# Altium PCB PCB1.PcbDoc
Units mm, origin at the board's own origin, x right, y up, seen from the top; angles counter-clockwise.
Board outline 41.81 x 32.61 mm, 2 copper layers (Top Layer, Bottom Layer); 41 components, 34 nets, 169 pads, 52 vias.
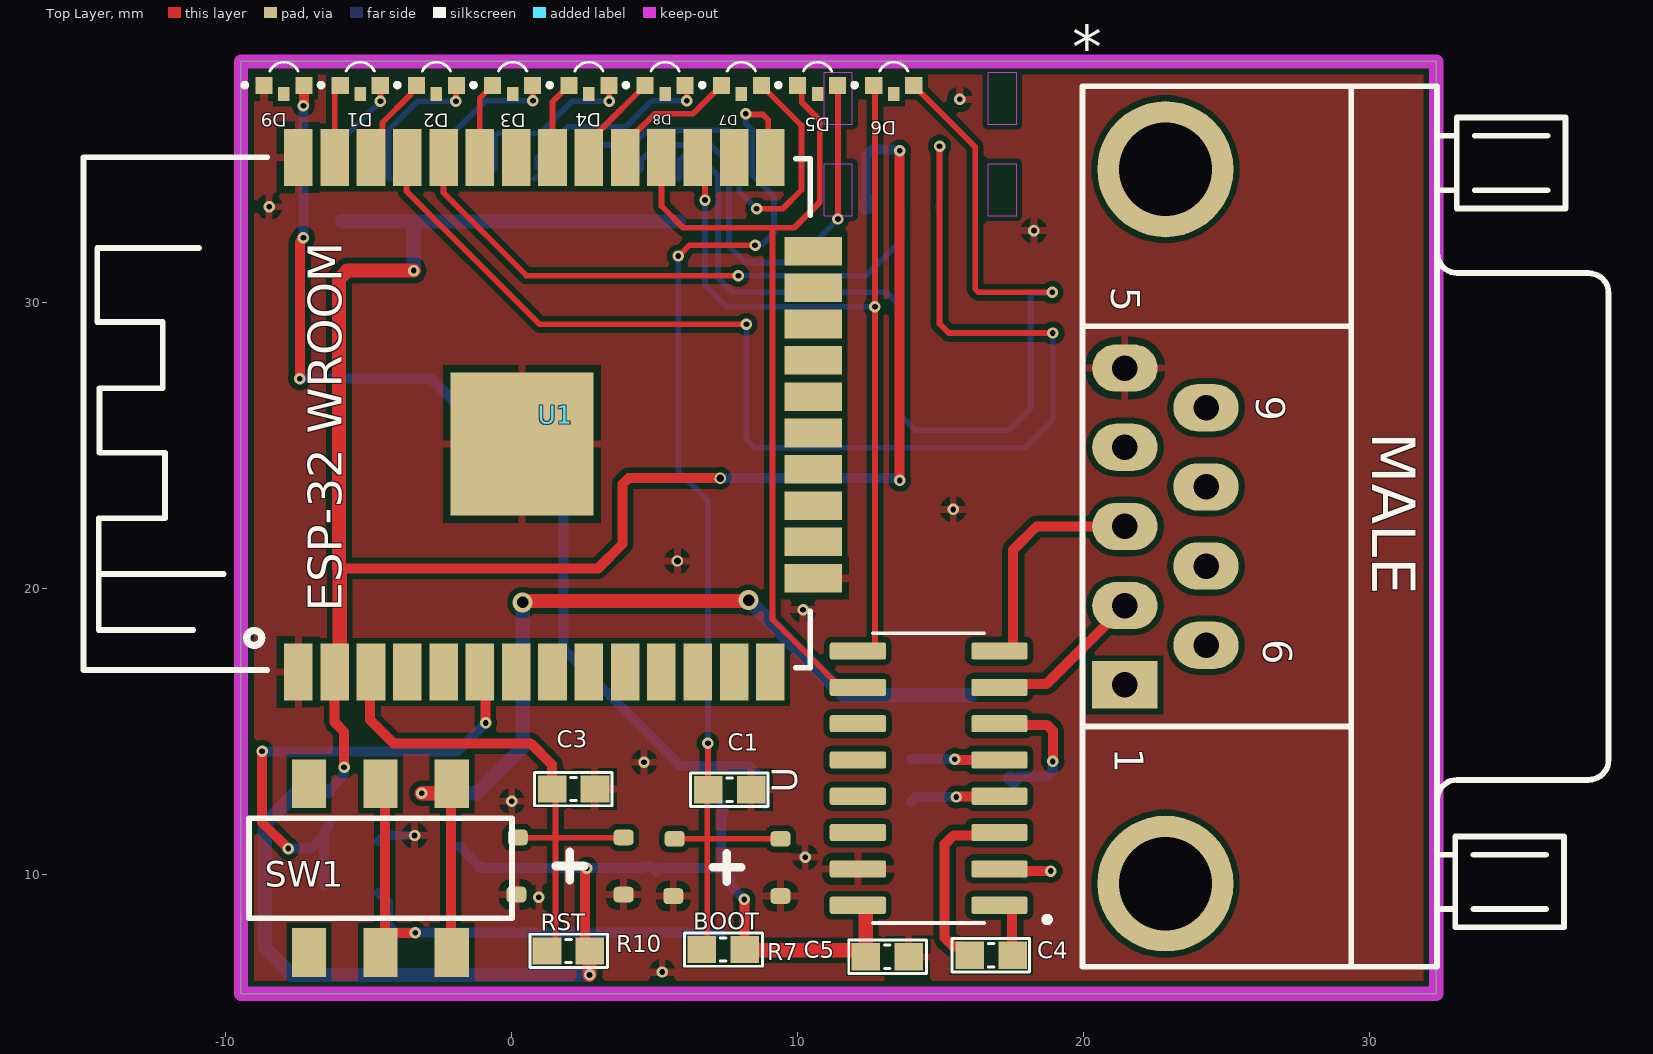
[diagram p0: Top Layer view]
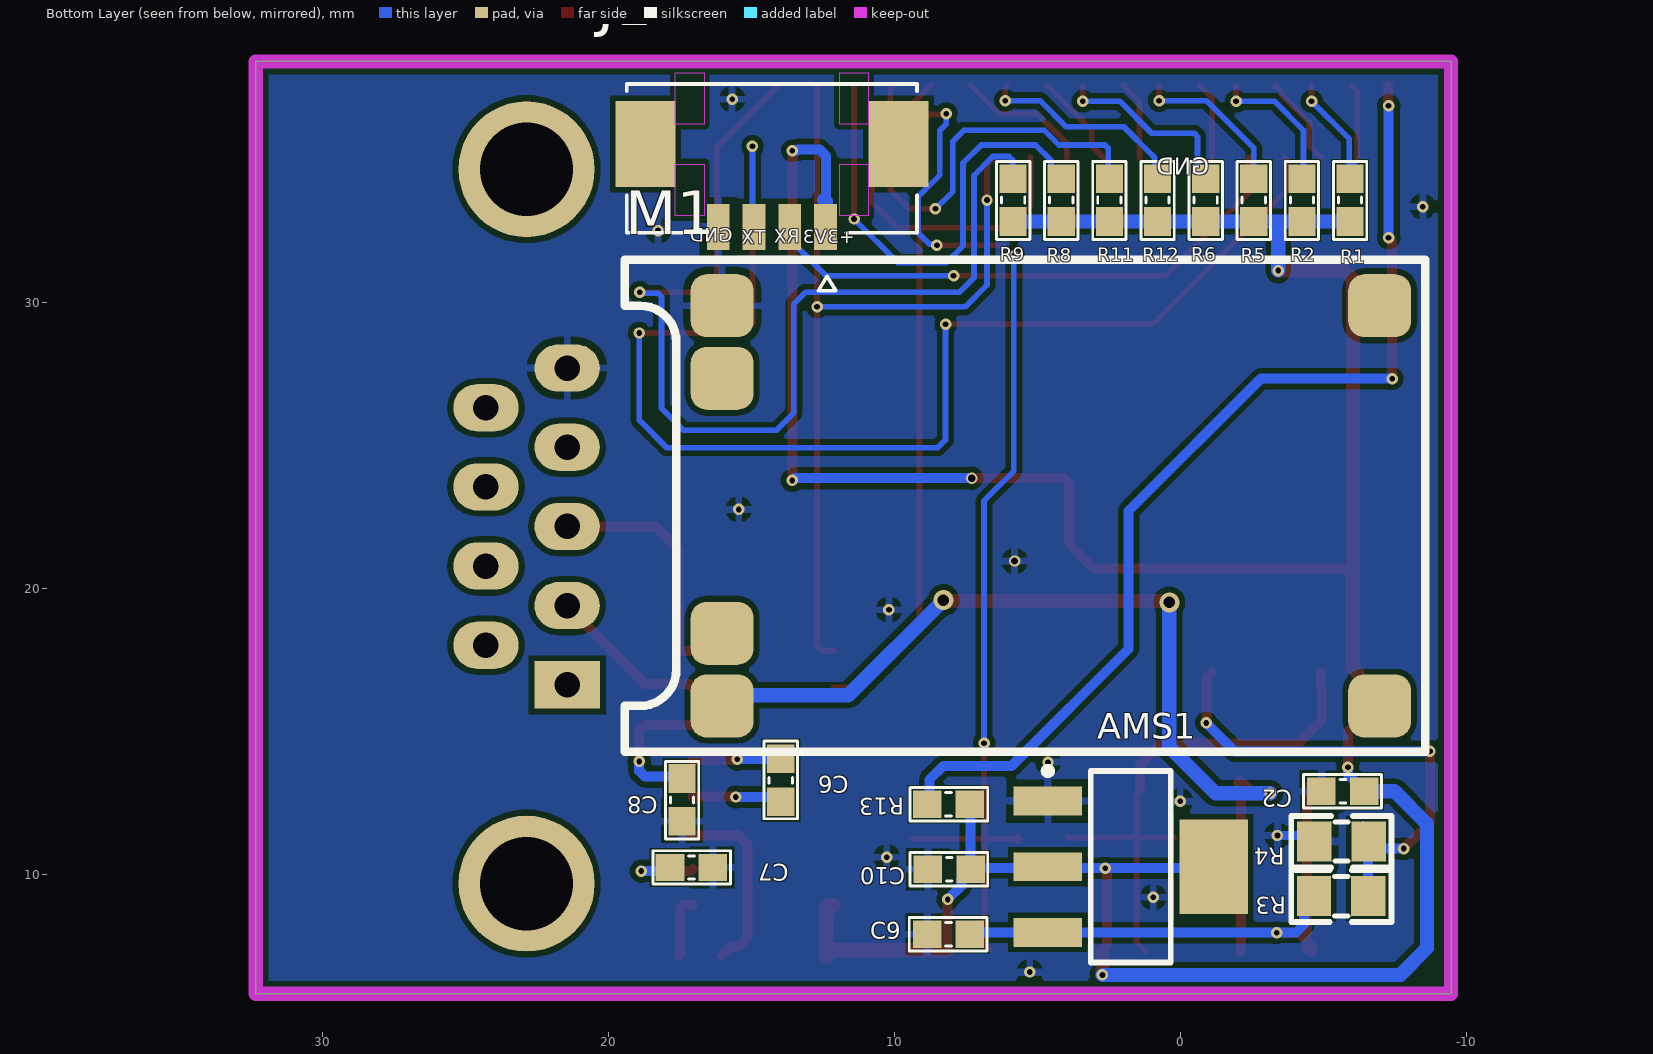
[diagram p1: Bottom Layer view, seen from below]
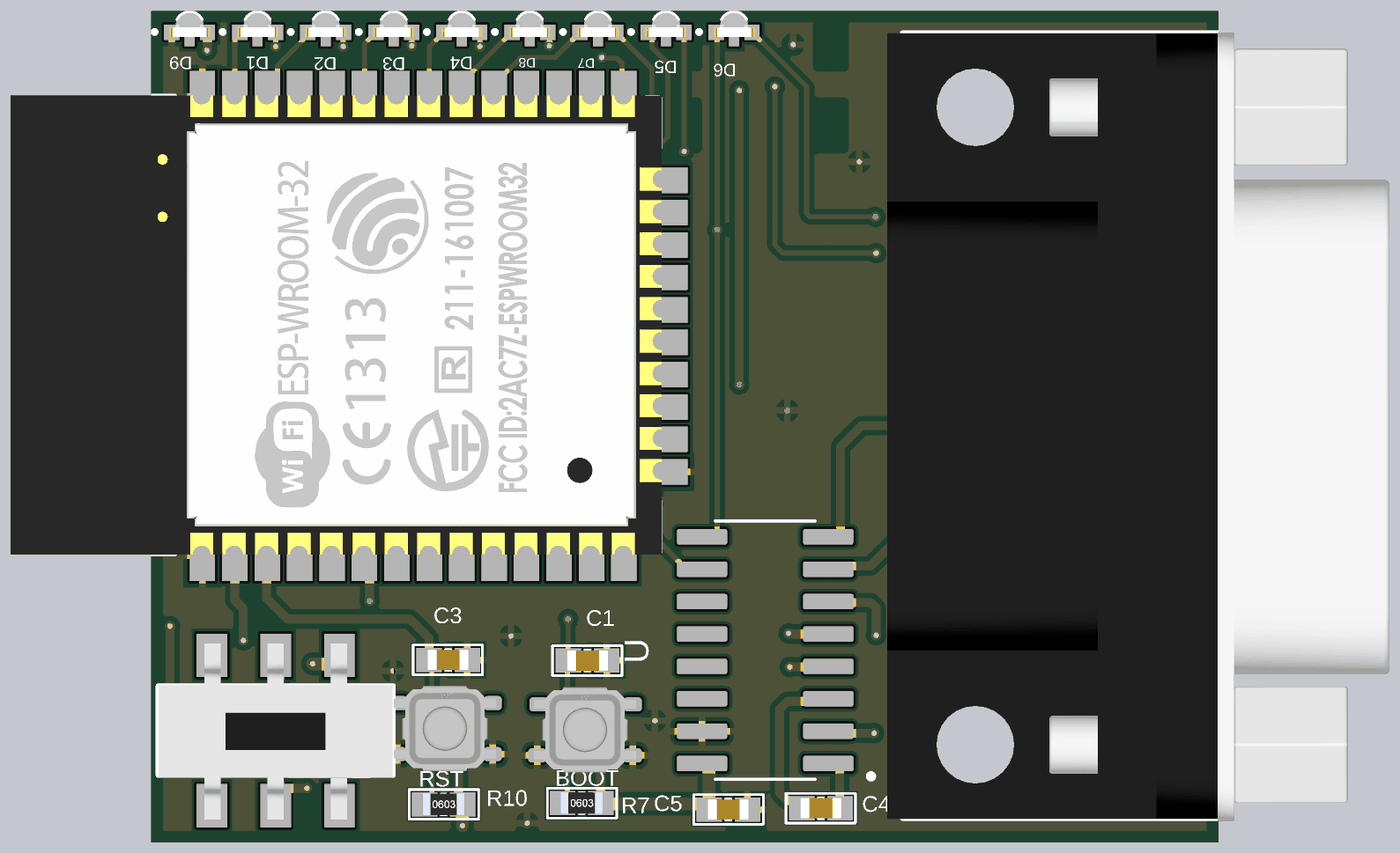
[diagram p2: 3D render of the assembled board from above, using the file's embedded part models]
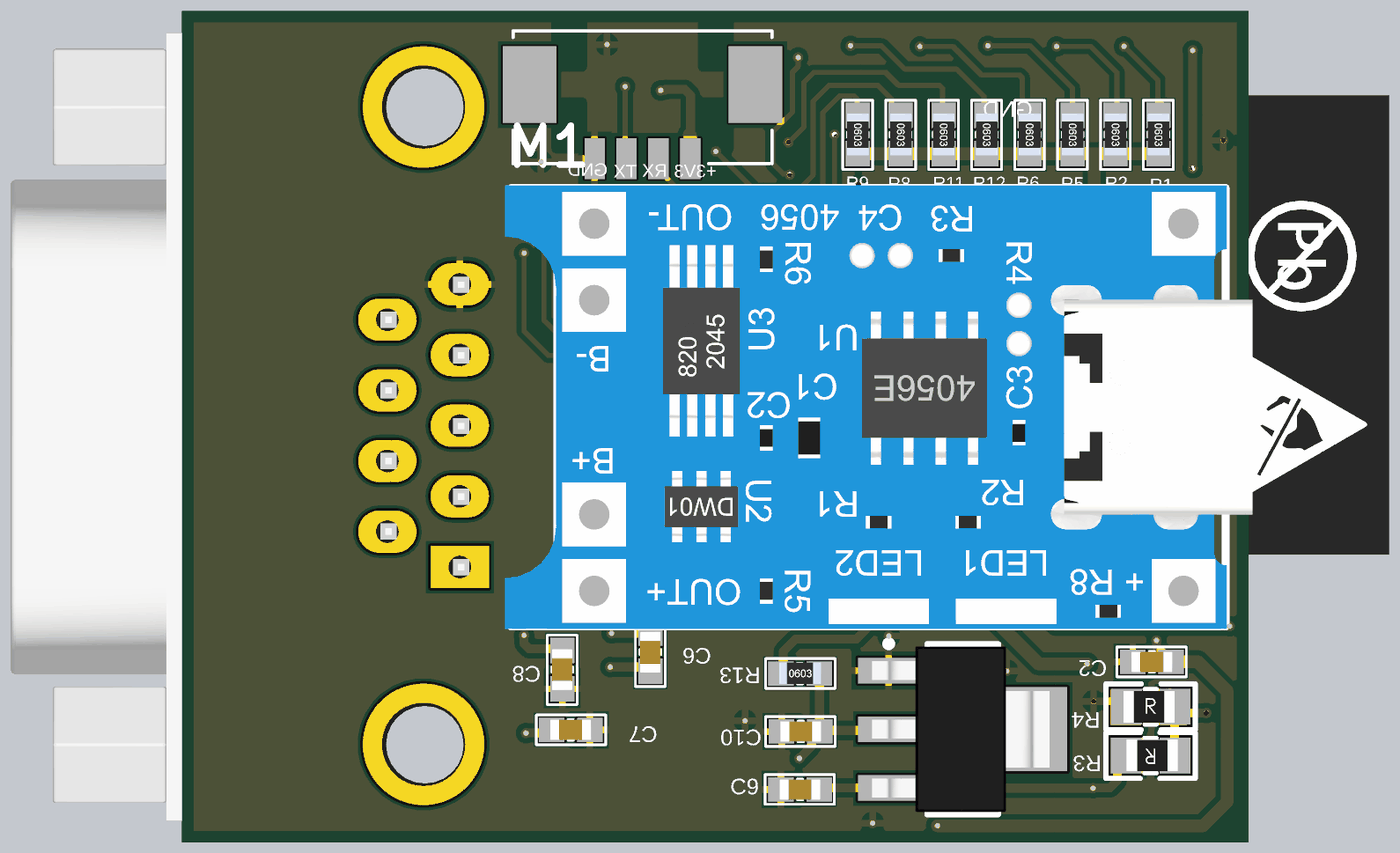
[diagram p3: 3D render of the assembled board from below, using the file's embedded part models]

## Layer stack, top to bottom
Top Solder: solder mask 0.0102, Solder Resist, Dk 3.5
Top Layer: signal copper 0.0356
Dielectric 1: dielectric 0.32, FR-4, Dk 4.8
Bottom Layer: signal copper 0.0356
Bottom Solder: solder mask 0.0102, Solder Resist, Dk 3.5

## Board outline
-9.474,5.817 -9.474,38.43 32.334,38.43 32.334,5.817

## Design rules (kind name [scope] priority, off if disabled: settings)
Clearance [All] p1: gap=0.2 ignorepadtopadclearanceinfootprint=FALSE
HoleSize [All] p1 off: absolutevalues=TRUE maxlimit=2.54 minlimit=0.025 maxpercent=80.000 minpercent=20.000
HoleToHoleClearance [All] p1 off: gap=0.254 allowstackedmicrovias=TRUE
LayerPairs [All] p1 off: enforce=TRUE
MinimumSolderMaskSliver [All] p1 off: minsoldermaskwidth=0.254
NetAntennae [All] p1 off: netantennaetolerance=0
PolygonConnect [All] p1: connectstyle=Relief reliefconductorwidth=0.254 reliefentries=4 polygonreliefangle="90 Angle" airgapwidth=0.254
RoutingVias [All] p1: holewidth=0.6 width=0 viastyle="Through Hole" minholewidth=0.2 minwidth=0.4 maxholewidth=0.7 maxwidth=0.8
SilkToSilkClearance [All] p1 off: silktosilkclearance=0.254
SilkToSolderMaskClearance [IsPad] p1 off: minsilkscreentomaskgap=0.254 clearancetoexposedcopper=TRUE
SolderMaskExpansion [All] p1: expansion=0.102 istentingtop=FALSE
Width [All] p1: maxlimit=0.5 minlimit=0.2 preferedwidth=0.35
23 further rules are at their usual default settings.

## Components (designator, comment, footprint, x,y, rotation, side; value= is the part's Value field where it differs from the comment)
* "COM" "DSB 9-M" 22.862,22.164 r90 top
AMS1 "AMS1117-3.3V" SOT223 1.727,10.262 r270 bottom value="AMS1117-3.3V SOT223"
BOOT "BUTTON-4PIN" BUTTON-3X3X1.5-4PIN 7.521,10.236 r0 top (schematic designator BT1)
C1 "104" "tu 0603" 7.62,12.954 r180 top
C2 "104" "tu 0603" -5.69,12.903 r0 bottom
C3 "104" "tu 0603" 2.159,12.979 r180 top
C4 "104" "tu 0603" 16.764,7.163 r180 top
C5 "104" "tu 0603" 13.132,7.112 r0 top
C6 "104" "tu 0603" 13.97,13.284 r90 bottom
C7 "104" "tu 0603" 17.094,10.236 r180 bottom
C8 "104" "tu 0603" 17.424,12.598 r270 bottom
C9 "104" "tu 0603" 8.103,7.899 r0 bottom
C10 "104" "tu 0603" 8.077,10.173 r0 bottom
D1 "Amber, 2V, 120°" WL-SMSW_0603_L1.6W1H0.6 -5.304,37.902 r0 top
D2 "Amber, 2V, 120°" WL-SMSW_0603_L1.6W1H0.6 -2.638,37.902 r0 top
D3 "Amber, 2V, 120°" WL-SMSW_0603_L1.6W1H0.6 0.028,37.902 r0 top
D4 "Amber, 2V, 120°" WL-SMSW_0603_L1.6W1H0.6 2.695,37.902 r0 top
D5 "Amber, 2V, 120°" WL-SMSW_0603_L1.6W1H0.6 10.694,37.902 r0 top
D6 "Amber, 2V, 120°" WL-SMSW_0603_L1.6W1H0.6 13.36,37.902 r0 top
D7 "Amber, 2V, 120°" WL-SMSW_0603_L1.6W1H0.6 8.028,37.902 r0 top
D8 "Amber, 2V, 120°" WL-SMSW_0603_L1.6W1H0.6 5.361,37.902 r0 top
D9 "Amber, 2V, 120°" WL-SMSW_0603_L1.6W1H0.6 -7.971,37.902 r0 top
J1 "532617004" MOLEX_532617004 14.279,35.039 r180 bottom
M1 "MODULE-TP4056" MODULE-TP4056 4.521,22.885 r0 bottom
R1 "1k" "tro smd 0603" -5.944,33.579 r270 bottom
R2 "1k" "tro smd 0603" -4.26,33.579 r270 bottom
R3 "10k" "Tro SMD 0805" -5.639,9.169 r0 bottom
R4 "10k" "Tro SMD 0805" -5.64,11.201 r180 bottom
R5 "1k" "tro smd 0603" -2.576,33.579 r270 bottom
R6 "1k" "tro smd 0603" -0.893,33.579 r270 bottom
R7 "10k" "tro smd 0603" 7.391,7.366 r0 top
R8 "1k" "tro smd 0603" 4.158,33.579 r270 bottom
R9 "1k" "tro smd 0603" 5.842,33.579 r270 bottom
R10 "10k" "tro smd 0603" 1.981,7.315 r0 top
R11 "1k" "tro smd 0603" 2.475,33.579 r270 bottom
R12 "1k" "tro smd 0603" 0.791,33.579 r270 bottom
R13 "1k" "tro smd 0603" 8.103,12.446 r180 bottom
RST "BUTTON-4PIN" BUTTON-3X3X1.5-4PIN 2.032,10.287 r0 top (schematic designator BT2)
SW1 "MSS22D18" "MSS22D18 SMD" -4.597,10.211 r0 top
U "MAX3232ID" SOIC127P600X175-16N 14.58,13.36 r180 top
U1 "ESP32-S" ESP-32WR -7.468,17.069 r90 top locked

## Footprints (in the part's own frame and the unit in brackets; to place one, negate y for a bottom-side part, rotate by r counter-clockwise, add the part's x,y. Pads: shape width x height; smd on the part's side, far side on the other; paste and mask are expansions set on the pad)
BUTTON-3X3X1.5-4PIN [mm]
  rrect50% 0.7x0.55 smd: 1(-1.875,-1) 2(1.875,-1) 3(1.875,1) 4(-1.825,1)
  silkscreen extent -0.5,-0.5 0.5,0.5, body extent -2,-1.68 2,1.68, height 1.5
"DSB 9-M" [mil] "COM MALE D Subminiature; 9 Position; Right Angle; Pitch 1.385 mm"
  rect 65x90 hole 35: 1(-218.11,55.91)
  oval 65x90 hole 35: 2(-109.05,55.91) 3(0,55.91) 4(109.06,55.91) 5(218.11,55.91) 6(-163.58,-55.91) 7(-54.53,-55.91) 8(54.53,-55.91) 9(163.58,-55.91)
  round 187.4 hole 128.35: 10(491.93,0) 11(-491.93,0)
  silkscreen extent -606,-610 606,114, body extent -610,-637 606,138, height 495
ESP-32WR [mm]
  rect 2x1 smd: 1(0,0) 2(0,-1.27) 3(0,-2.54) 4(0,-3.81) 5(0,-5.08) 6(0,-6.35) 7(0,-7.62) 8(0,-8.89) 9(0,-10.16) 10(0,-11.43) 11(0,-12.7) 12(0,-13.97) 13(0,-15.24) 14(0,-16.51) 25(18,-16.51) 26(18,-15.24) 27(18,-13.97) 28(18,-12.7) 29(18,-11.43) 30(18,-10.16) 31(18,-8.89) 32(18,-7.62) 33(18,-6.35) 34(18,-5.08) 35(18,-3.81) 36(18,-2.54) 37(18,-1.27) 38(18,0)
  rect 1x2 smd: 15(3.285,-18.01) 16(4.555,-18.01) 17(5.825,-18.01) 18(7.095,-18.01) 19(8.365,-18.01) 20(9.635,-18.01) 21(10.905,-18.01) 22(12.175,-18.01) 23(13.445,-18.01) 24(14.715,-18.01)
  rect 5x5 smd: 38(7.976,-7.823)
  silkscreen extent 0.08,-17.91 18.01,7.52, body extent 0.04,-17.98 18.04,7.52, height 2.91
MODULE-TP4056 [mm]
  rrect50% 2.2x2.2 smd: 1(-11.5,-7) 2(-11.5,7) 3(11.5,-7) 4(11.5,7) 5(11.5,-4.46) 6(11.5,4.46)
  silkscreen extent -13.1,-8.6 14.9,8.6, body extent -14.15,-8.7 15.15,8.7, height 4.14
MOLEX_532617004 [mm]
  rect 0.8x1.6 smd mask+0.076: 1(1.875,-2.4) 2(0.625,-2.4) 3(-0.625,-2.4) 4(-1.875,-2.4)
  rect 2.1x3 smd mask+0.076: S1(4.425,0.5) S2(-4.425,0.5)
  Keep-Out Layer region: -2.375,1.2 -3.375,1.2 -3.375,3 -2.375,3
  Keep-Out Layer region: -2.375,-2 -3.375,-2 -3.375,-0.2 -2.375,-0.2
  Keep-Out Layer region: 3.375,1.2 2.375,1.2 2.375,3 3.375,3
  Keep-Out Layer region: 3.375,-2 2.375,-2 2.375,-0.2 3.375,-0.2
  silkscreen extent -5.07,-4.62 5.07,2.6
"MSS22D18 SMD" [mm]
  rect 1.2x1.7 smd: 1(-2.5,2.95) 2(0,2.95) 3(2.5,2.95) 4(-2.5,-2.95) 5(0,-2.95) 6(2.5,-2.95)
  silkscreen extent -4.6,-1.75 4.6,1.75, body extent -4.58,-3.49 4.58,3.42, height 5.95
SOIC127P600X175-16N [mm]
  rrect25% 1.97x0.6 smd: 1(-2.475,4.445) 2(-2.475,3.175) 3(-2.475,1.905) 4(-2.475,0.635) 5(-2.475,-0.635) 6(-2.475,-1.905) 7(-2.475,-3.175) 8(-2.475,-4.445) 9(2.475,-4.445) 10(2.475,-3.175) 11(2.475,-1.905) 12(2.475,-0.635) 13(2.475,0.635) 14(2.475,1.905) 15(2.475,3.175) 16(2.475,4.445)
  silkscreen extent -4.25,-5.06 1.95,5.06
SOT223 [mm]
  rect 1x2.4 smd: 1(-2.3,-2.9) 2(0,-2.9) 3(2.3,-2.9)
  rect 3.3x2.4 smd: 4(0,2.9)
  silkscreen extent -3.47,-3.03 3.35,1.4, body extent -3.25,-3.56 3.25,3.4, height 1.68
"tro smd 0603" [mm] "Chip Capacitor, 2-Leads, Body 1,60x0,80mm, IPC Medium Density"
  rect 1x0.95 smd mask+0.076: 1(-0.75,0) 2(0.75,0)
  silkscreen extent -1.35,-0.58 1.37,0.58, body extent -0.82,-0.42 0.82,0.43, height 0.44
"Tro SMD 0805" [mm]
  rect 1.2x1.4 smd: 1(-0.946,-0.061) 2(0.954,-0.061)
  silkscreen extent -1.75,-0.97 1.75,0.84, body extent -1.56,-0.76 1.44,0.64, height 0.53
"tu 0603" [mm] "Chip Capacitor, 2-Leads, Body 1,60x0,80mm, IPC Medium Density"
  rect 1x0.95 smd mask+0.076: 1(-0.75,0) 2(0.75,0)
  silkscreen extent -1.35,-0.58 1.37,0.58, body extent -0.8,-0.4 0.8,0.4, height 0.9
WL-SMSW_0603_L1.6W1H0.6 [mm] "SMT Mono-color Side view Waterclear, body 1.6x1mm"
  rect 0.6x0.6 smd: 1(-0.7,-0.31) 2(0.7,-0.31)
  rect 0.4x0.5 smd: M1(0,-0.61)
  silkscreen extent -1.44,-0.37 0.5,0.5, body extent -0.8,-0.5 0.8,0.5, height 0.6

## Part data
AMS1: library part "AMS1117 SMD", "Dán", Chung_Loai=Dán, Don_Vi=Con, Ma_Hang=MH000596
C1 C2 C3 C4 C5 C6 C7 C8 C9 C10: library part "Tu 0603 104 50V 10%", "Dán", Chung_Loai=Dán, Don_Vi=Con, Ma_Hang=MH004568, So_Chan=2, Ten_Linh_Kien="Tụ 0603 104-100nF 10% 50V"
D1 D2 D3 D4 D5 D6 D7 D8 D9: library part 155060AS73200, "WL-SMSW Mono-color Side View Waterclear, size 0603, Amber, 2V, 120°", Case/Size Code=0603, Emitting Color=Amber, Forward Voltage=2V, Manufacturer="Wurth Elektronik", Operating Temperature Max=85°C, Operating Temperature Min=-40°C, Category="Signal LEDs", Chip Technology=AlInGaP, ComponentLink1Description="Website Link", ComponentLink1URL=https://www.we-online.com/redexpert/article/155060AS73200?ad, ComponentLink2Description="Datasheet Link", ComponentLink2URL=https://www.we-online.com/redexpert/spec/155060AS73200?ad, Dominant Wavelength=605nm, Height=0.6mm, Length=1.6mm, Luminous Intensity=120mcd, Manufacturer Part Number=155060AS73200, Match Code=WL-SMSW, Mount="Surface Mount", Packaging="Tape and Reel", Peak Wavelength=609nm, Viewing Angle=120°, Width=1mm
J1: Package=None, Availability=Unavailable, MP=532617004, Price=None
R1 R2 R5 R6 R7 R8 R9 R10 R11 R12 R13: library part "Tro 0603 5% 1k", "Dán", Chung_Loai=Dán, Don_Vi=Con, Ma_Hang=MH006319, So_Chan=2, Ten_Linh_Kien="Trở 0603 5% 1k"
R3 R4: library part "Tro 0805 5% 82k", "Dán", Chung_Loai=Dán, Don_Vi=Con, Ma_Hang=MH005329, So_Chan=2, Ten_Linh_Kien="Trở 0805 5% 82k"
SW1: "SMD"
U: "3-V to 5.5-V multichannel RS-232 line driver & receiver 16-SOIC -40 to 85", Package="SOIC-16 Texas Instruments", Availability=Good, Check_prices=https://www.snapeda.com/parts/MAX3232ID/Texas%20Instruments/view-part/215166/?ref=eda, DigiKey-Purchase-URL=https://snapeda.com/shop?store=DigiKey&id=215166, MF="Texas Instruments", Mouser-Purchase-URL=https://snapeda.com/shop?store=Mouser&id=215166, MP=MAX3232ID, Price=None, SnapEDA_Link=https://www.snapeda.com/parts/MAX3232ID/Texas%20Instruments/view-part/215166/?ref=snap, Texas_Instruments-Purchase-URL=https://snapeda.com/shop?store=Texas+Instruments&id=215166

## Via types
v1: diameter 0.4, hole 0.2, Top Layer to Bottom Layer, tented both sides, 48 vias
v2: diameter 0.7, hole 0.4, Top Layer to Bottom Layer, 2 vias
v3: diameter 0.4, hole 0.25, Top Layer to Bottom Layer, 2 vias

## Nets (pads, with @x,y where several pads share a name; then routed paths per layer and width w, separated by ;. In a path a pad name is that pad's centre, name@x,y a point inside that pad or via, vN(x,y) a via of type N, cw(c..) or ccw(c..) an arc to the next point about the centre after c; other vN are vias at no path point)
+3.3V: AMS1.2 AMS1.4 C2.1 C5.1 C10.1 J1.1 R1.2 R2.2 R5.2 R6.2 R7.2 R8.2 R9.2 R10.2 R11.2 R12.2 R13.2 U1.2 U.16 | length 115.7
  Top Layer w0.35: U1.2 -6.198,15.316 -5.877,14.996 -5.877,13.751 v1(-5.867,13.741) ; -6.096,20.599 -6.02,20.676 -5.994,20.701 ; -6.045,20.701 -5.994,20.701 ; v1(2.616,10.211) 2.565,10.16 2.565,7.481 R10.2 ; v3(7.29,23.851) 4.079,23.851 3.873,23.646 3.873,21.552 3.023,20.701 -5.994,20.701 ; v1(8.128,9.119) 8.135,9.112 8.135,7.576 8.128,7.569 8.141,7.556 R7.2 ; v1(13.564,23.774) v1(13.564,35.306)
  Top Layer w0.5: U1.2 -6.02,17.247 -6.02,20.676 ; -6.045,20.701 -6.045,30.822 -5.752,31.115 v1(-3.429,31.115) ; v1(2.718,6.477) 2.718,7.302 R10.2 ; R7.2 8.141,7.353 8.153,7.341 12.128,7.341 12.357,7.112 C5.1 12.382,8.865 12.332,8.915 U.16
  Bottom Layer w0.35: C2.1@-6.452,12.903 -6.415,12.903 -6.115,13.203 -6.115,13.24 -5.877,13.478 -5.877,13.718 v1@-5.868,13.727 ; AMS1.4@-1.829,10.973 -1.173,10.317 AMS1.4 -1.122,10.211 v1@2.603,10.211 ; v1(2.616,10.211) 4.576,10.211 AMS1.2 4.877,10.262 5.055,10.084 5.188,10.217 7.283,10.217 C10.1 ; v3(7.29,23.851) 13.474,23.851 13.55,23.774 v1(13.564,23.774) ; R13.2 7.353,12.282 7.417,12.217 7.411,12.217 7.34,12.146 7.34,10.185 C10.1 ; v1@8.118,9.128 7.652,9.594 7.652,9.873 7.352,10.173 C10.1 ; 12.446,33.579 12.395,33.63 12.395,35.128 12.624,35.357 13.36,35.357 13.402,35.316 13.554,35.316 v1(13.564,35.306)
  Bottom Layer w0.5: C2.1 -7.493,12.903 -8.636,11.76 -8.636,7.417 -7.696,6.477 v1(2.718,6.477) ; R1.2 R2.2 -3.441,32.829 ; v1(-3.429,31.115) -3.429,32.817 -3.441,32.829 ; R9.2 R8.2 R11.2 R12.2 R6.2 R5.2 -3.441,32.829 ; J1.1@12.4,33.312 12.4,33.533 12.446,33.579
ADC_PIN: R3.1 R4.2 U1.6 | length 17.4
  Top Layer w0.35: v1(-8.738,14.3) -8.738,11.811 v1(-7.823,10.897) ; U1.6 -0.924,16.875 -0.924,15.3 v1(-0.914,15.291)
  Bottom Layer w0.35: v1(-8.738,14.3) -1.905,14.3 v1(-0.914,15.291) ; v1(-7.823,10.897) -7.02,10.897 -6.579,11.338 -6.579,11.43 -6.579,9.631 R3.1@-6.559,9.611 ; R4.2@-6.559,11.532 R4.2@-6.403,11.687
BLUE: D8.1 U1.30 | length 3.3
  Top Layer w0.2: U1.30 3.092,35.469 3.092,36.023 D8.1
BOOT_ESP: BOOT.4 C1.2 R7.1 U1.25 | length 39
  Top Layer w0.2: BOOT.4@5.69,11.227 5.696,11.233 5.699,11.236 6.833,11.236 ; v1(5.817,31.623) 5.842,31.648 5.864,31.648 6.219,32.004 v1(8.509,32.004) ; R7.1 6.833,7.557 6.833,11.236 ; v1(6.858,14.58) 6.858,12.966 C1.2 6.87,12.915 6.833,12.878 6.833,11.236 ; v1(8.179,36.601) 8.21,36.57 8.779,36.57 8.966,36.383 8.966,35.145 U1.25 ; 9.396,11.236 6.833,11.236
  Top Layer w0.35: BOOT.4@5.696,11.233 BOOT.4
  Bottom Layer w0.2: v1(5.817,31.623) 5.817,24.105 6.858,23.063 v1(6.858,14.58) ; v1(8.179,36.601) 8.179,36.246 8.404,36.02 8.404,34.461 9.169,33.696 9.169,32.436 8.776,32.042 8.547,32.042 v1(8.509,32.004)
GND: *.5 AMS1.1 BOOT.1 BOOT.2 C1.1 C2.2 C3.1 C5.2 C7.2 C8.2 C9.2 C10.2 D9.1 J1.4 M1.3 R4.1 RST.1 RST.2 U1.1 U1.15 U1.38 U.15 | length 1.4
  Bottom Layer w0.3: R4.1 -4.481,11.354 v1(-3.404,11.354)
  other v1: 5.258,6.579 0.94,9.195 10.262,10.592 0,12.548 4.623,13.919 10.185,19.253 15.443,22.758 18.263,32.512 -8.484,33.35 15.672,37.109
  other v3: 5.791,20.955
LED1: D1.1 U1.37 | length 2.6
  Top Layer w0.2: U1.37 -6.198,37.399 D1.1
LED2: D2.1 U1.36 | length 3.3
  Top Layer w0.2: U1.36 -4.528,35.469 -4.528,36.29 -3.538,37.28 -3.538,37.392 -3.389,37.541 -3.277,37.541 -3.327,37.592 D2.1
LED3: D3.1 U1.33 | length 2.7
  Top Layer w0.2: U1.33 -1.118,37.146 D3.1
LED4: D4.1 U1.31 | length 2.8
  Top Layer w0.2: U1.31 1.422,37.02 1.88,37.477 1.88,37.516 1.956,37.592 D4.1
NetC4_1: C4.1 U.1 | length 2.1
  Top Layer w0.35: U.1 17.376,8.915 17.501,8.79 17.501,7.176 C4.1
NetC4_2: C4.2 U.3 | length 6.8
  Top Layer w0.35: C4.2 15.714,7.463 15.448,7.463 15.138,7.772 15.138,11.049 15.443,11.354 17.17,11.354 17.196,11.379 17.12,11.455 U.3
NetC6_1: C6.1 U.4 | length 3.2
  Top Layer w0.35: v1(15.545,12.7) 15.554,12.71 16.907,12.71 16.967,12.649 17.043,12.725 U.4
  Bottom Layer w0.35: C6.1 14.136,12.7 v1@15.531,12.7
NetC6_2: C6.2 U.5 | length 3.1
  Top Layer w0.35: v1(15.494,14.021) 15.596,14.021 15.621,13.995 U.5
  Bottom Layer w0.35: C6.2 13.982,14.034 13.995,14.021 14.002,14.028 15.487,14.028 v1(15.494,14.021)
NetC7_1: C7.1 U.2 | length 3
  Top Layer w0.35: U.2 17.131,10.109 v1(18.847,10.109)
  Bottom Layer w0.35: C7.1 17.844,10.121 17.958,10.008 18.069,10.119 18.837,10.119 v1(18.847,10.109)
NetC8_1: C8.1 U.6 | length 5
  Top Layer w0.35: U.6 17.096,15.224 18.718,15.224 18.923,15.019 v1(18.923,13.945)
  Bottom Layer w0.35: C8.1@17.551,13.259 17.572,13.259 17.724,13.411 18.718,13.411 18.923,13.616 v1@18.923,13.931
  Bottom Layer w0.5: C8.1 17.462,13.348 C8.1@17.551,13.259
NetD1_2: D1.2 R1.1 | length 4
  Top Layer w0.2: D1.2 -4.597,37.585 v1(-4.597,37.033)
  Bottom Layer w0.2: R1.1@-6.071,34.62 -6.027,34.62 -5.918,34.729 -5.918,35.712 v1(-4.597,37.033)
  Bottom Layer w0.5: R1.1@-6.071,34.62 -6.071,34.456 R1.1
NetD2_2: D2.2 R2.1 | length 5.1
  Top Layer w0.2: v1(-1.956,37.033) -1.956,37.574 D2.2
  Bottom Layer w0.2: R2.1 -4.318,34.387 -4.318,36.017 -3.302,37.033 v1(-1.956,37.033)
NetD3_2: D3.2 R5.1 | length 5.6
  Top Layer w0.2: D3.2 0.737,37.584 v1(0.737,37.059)
  Bottom Layer w0.2: R5.1 -2.576,35.397 -0.914,37.059 v1(0.737,37.059)
NetD4_2: D4.2 R6.1 | length 6.7
  Top Layer w0.2: D4.2 3.404,37.583 v1(3.404,37.033)
  Bottom Layer w0.2: R6.1 -0.893,34.388 -0.61,34.671 -0.61,35.798 -0.492,35.916 0.991,35.916 2.108,37.033 v1(3.404,37.033)
NetD5_2: D5.2 R8.1 | length 16.6
  Top Layer w0.2: D5.2 11.405,37.581 v1(11.405,32.918)
  Bottom Layer w0.2: R8.1 4.516,34.686 4.516,34.97 5.055,35.509 6.96,35.509 7.595,34.874 7.595,31.979 8.179,31.394 9.881,31.394 v1(11.405,32.918)
NetD6_2: D6.2 R9.1 | length 37.1
  Top Layer w0.2: D6.2 16.205,35.447 16.205,30.474 16.327,30.353 v1(18.898,30.353)
  Bottom Layer w0.2: R9.1 5.867,34.354 5.867,34.986 5.985,35.103 6.553,35.103 7.214,34.442 7.214,30.861 7.722,30.353 13.106,30.353 13.513,29.947 13.513,26.137 14.122,25.527 17.374,25.527 18.143,26.296 18.143,30.202 18.26,30.319 18.864,30.319 v1(18.898,30.353)
NetD7_2: D7.2 R11.1 | length 15.6
  Top Layer w0.2: v1(8.56,33.274) 9.474,33.274 10.135,33.934 10.135,36.185 D7.2
  Bottom Layer w0.2: R11.1 2.515,34.369 2.515,35.392 2.632,35.509 4.242,35.509 4.75,36.017 7.569,36.017 7.95,35.636 7.95,33.884 v1(8.56,33.274)
NetD8_2: D8.2 R12.1 | length 7.7
  Top Layer w0.2: D8.2 6.121,37.532 v1(6.121,37.059)
  Bottom Layer w0.2: R12.1 0.826,34.329 1.143,34.646 0.972,34.646 0.889,34.729 0.889,35.062 1.006,35.179 1.971,36.144 3.988,36.144 4.902,37.059 v1(6.121,37.059)
NetD9_2: D9.2 R13.1 | length 36.1
  Top Layer w0.35: v1(-7.417,27.33) -7.417,32.117 -7.29,32.244 v1(-7.29,32.258) ; v1(-7.29,36.881) -7.29,36.894 -7.271,36.913 D9.2
  Bottom Layer w0.35: v1(-7.417,27.33) -2.819,27.33 1.803,22.708 1.803,17.882 5.893,13.792 8.28,13.792 8.763,13.31 8.763,12.605 8.728,12.57 R13.1 ; v1(-7.29,32.258) v1(-7.29,36.881)
NetM1_4: M1.4 SW1.3 SW1.6 | length 33.5
  Top Layer w0.35: SW1.3@-2.134,13.125 -2.134,7.297 SW1.6
  Top Layer w0.5: v1(-3.15,12.827) -2.431,12.827 -2.134,13.125 SW1.3 ; v2(0.381,19.507) 0.432,19.558 8.255,19.558 v2(8.28,19.583)
  Bottom Layer w0.35: M1.4@16.002,16.256 16.072,16.186 M1.4@16.072,16.165
  Bottom Layer w0.5: v1(-3.15,12.827) -1.245,12.827 0.381,14.453 v2(0.381,19.507) ; v2(8.28,19.583) 11.608,16.256 M1.4@16.002,16.256
RED: D7.1 U1.29 | length 4.7
  Top Layer w0.2: U1.29 3.962,35.569 4.362,35.969 4.371,35.969 5.004,36.601 6.337,36.601 D7.1
RESET_ESP: C3.2 R10.1 RST.3 RST.4 U1.3 | length 19.1
  Top Layer w0.2: RST.4 0.216,11.278 1.524,11.278 ; R10.1 1.524,7.608 1.524,11.278 ; C3.2 1.524,12.864 1.524,11.278 ; RST.3 3.898,11.278 1.524,11.278
  Top Layer w0.35: U1.3 -4.928,16.535 -4.953,16.51 -4.953,15.392 -4.14,14.58 0.66,14.58 1.409,13.831 C3.2
RX0: J1.2 U1.34 | length 20.1
  Top Layer w0.2: U1.34 -2.388,33.833 0.508,30.937 v1(7.925,30.937)
  Bottom Layer w0.2: v1(7.925,30.937) 12.395,30.937 13.65,32.192 J1.2@13.65,33.312
RX2: D6.1 U1.27 U.9 | length 31.1
  Top Layer w0.2: U1.27 6.756,34.815 v1(6.756,33.579) ; U.9 12.5,17.805 12.7,18.005 v1(12.7,29.845) 12.7,37.552 D6.1
  Bottom Layer w0.2: v1(6.756,33.579) 6.756,30.607 7.518,29.845 v1(12.7,29.845)
RX_RS232: *.3 U.8 | length 8.2
  Top Layer w0.35: U.8 17.411,17.805 17.536,17.93 17.536,21.346 18.354,22.164 *.3
TX0: J1.3 U1.35 | length 45.8
  Top Layer w0.2: U1.35 -3.685,35.041 -3.685,33.886 0.965,29.235 v1(8.204,29.235) ; v1(14.961,35.458) 14.961,29.251 15.281,28.931 v1(18.923,28.931)
  Bottom Layer w0.2: v1(8.204,29.235) 8.204,25.197 8.484,24.917 17.958,24.917 18.923,25.883 v1(18.923,28.931) ; J1.3@14.9,33.312 14.961,33.373 v1(14.961,35.458)
TX2: D5.1 U1.28 U.10 | length 30
  Top Layer w0.2: U1.28 5.232,33.376 5.994,32.614 9.119,32.614 ; D5.1 10.141,37.445 10.141,37.001 10.77,36.373 10.77,33.503 9.881,32.614 9.119,32.614 ; U.10 11.42,16.535 11.22,16.735 11.22,16.81 9.119,18.911 9.119,32.614
TX_RS232: *.2 U.7 | length 5.6
  Top Layer w0.35: U.7 17.18,16.66 18.709,16.66 *.2
VCC_BATTERY: AMS1.3 C9.1 R3.2 SW1.2 SW1.5 | length 20.5
  Top Layer w0.35: SW1.5@-4.597,7.474 SW1.5 -4.445,7.413 SW1.5@-4.445,7.663 ; SW1.2 -4.445,13.008 SW1.5@-4.445,7.663 ; v1(-3.378,7.95) -3.388,7.941 -3.967,7.941 -3.972,7.936 -4.172,7.936 SW1.5@-4.445,7.663
  Bottom Layer w0.35: R3.2@-4.648,9.347 -4.33,9.029 -4.33,8.242 -4.048,7.96 -3.388,7.96 v1(-3.378,7.95) -3.373,7.956 4.621,7.956 AMS1.3 7.29,7.962 C9.1
pads on no net: *.1 *.4 *.6 *.7 *.8 *.9 *.10 *.11 BOOT.3 D1.M1 D2.M1 D3.M1 D4.M1 D5.M1 D6.M1 D7.M1 D8.M1 D9.M1 J1.S1 J1.S2 M1.1 M1.2 M1.5 M1.6 SW1.1 SW1.4 U1.4 U1.5 U1.7 U1.8 U1.9 U1.10 U1.11 U1.12 U1.13 U1.14 U1.16 U1.17 U1.18 U1.19 U1.20 U1.21 U1.22 U1.23 U1.24 U1.26 U1.32 U.11 U.12 U.13 U.14

## Polygon pours and split planes (outlines as drawn)
GND on Bottom Layer "GND_L02_P000" (solid, pour order 0): -9.525,38.456 -9.576,38.456 -9.652,38.379 -9.652,5.817 -9.423,5.588 32.334,5.588 32.461,5.715 32.461,38.633 32.334,38.506 -9.601,38.506
GND on Top Layer "GND_L01_P001" (solid, pour order 1): -9.423,38.583 -9.525,38.481 -9.525,5.842 32.283,5.842 32.258,5.867 32.258,38.43 32.106,38.583

## Keep-outs
Keep-Out Layer:
  the board outline again, w0.5

## Silkscreen, mask and mechanical layers (free items; w line width, h text height)
Bottom Overlay:
  text "GND" at -1.016,34.279 h1
  text "GND" at 15.646,31.962 h0.8
  text "RX" at 13.31,31.928 h0.8
  text "+3V3" at 11.379,31.911 h0.8
  text "TX" at 14.503,31.902 h0.8

## Text inside footprints (layer, text, board x,y; h text height)
*: Top Overlay "6" at 26.291,18.227 h1.02 r270; Top Overlay "9" at 26.037,26.736 h1.02 r270; Top Overlay "5" at 20.957,30.546 h1.02 r270; Top Overlay "1" at 21.084,14.417 h1.02 r270; Top Overlay "MALE" at 30.101,25.466 h1.52 r270
U1: Top Overlay "ESP-32 WROOM" at -5.547,19.182 h2.03 r90